# Altium PCB Ascii of Main Board V1.1.PcbDoc (part 2 of 3)
Units mm, origin at the board's own origin, x right, y up, seen from the top; angles counter-clockwise.
Board outline 116 x 140 mm, 2 copper layers (Top Layer, Bottom Layer), stack 1.58 mm thick; 277 components, 226 nets, 916 pads, 571 vias.
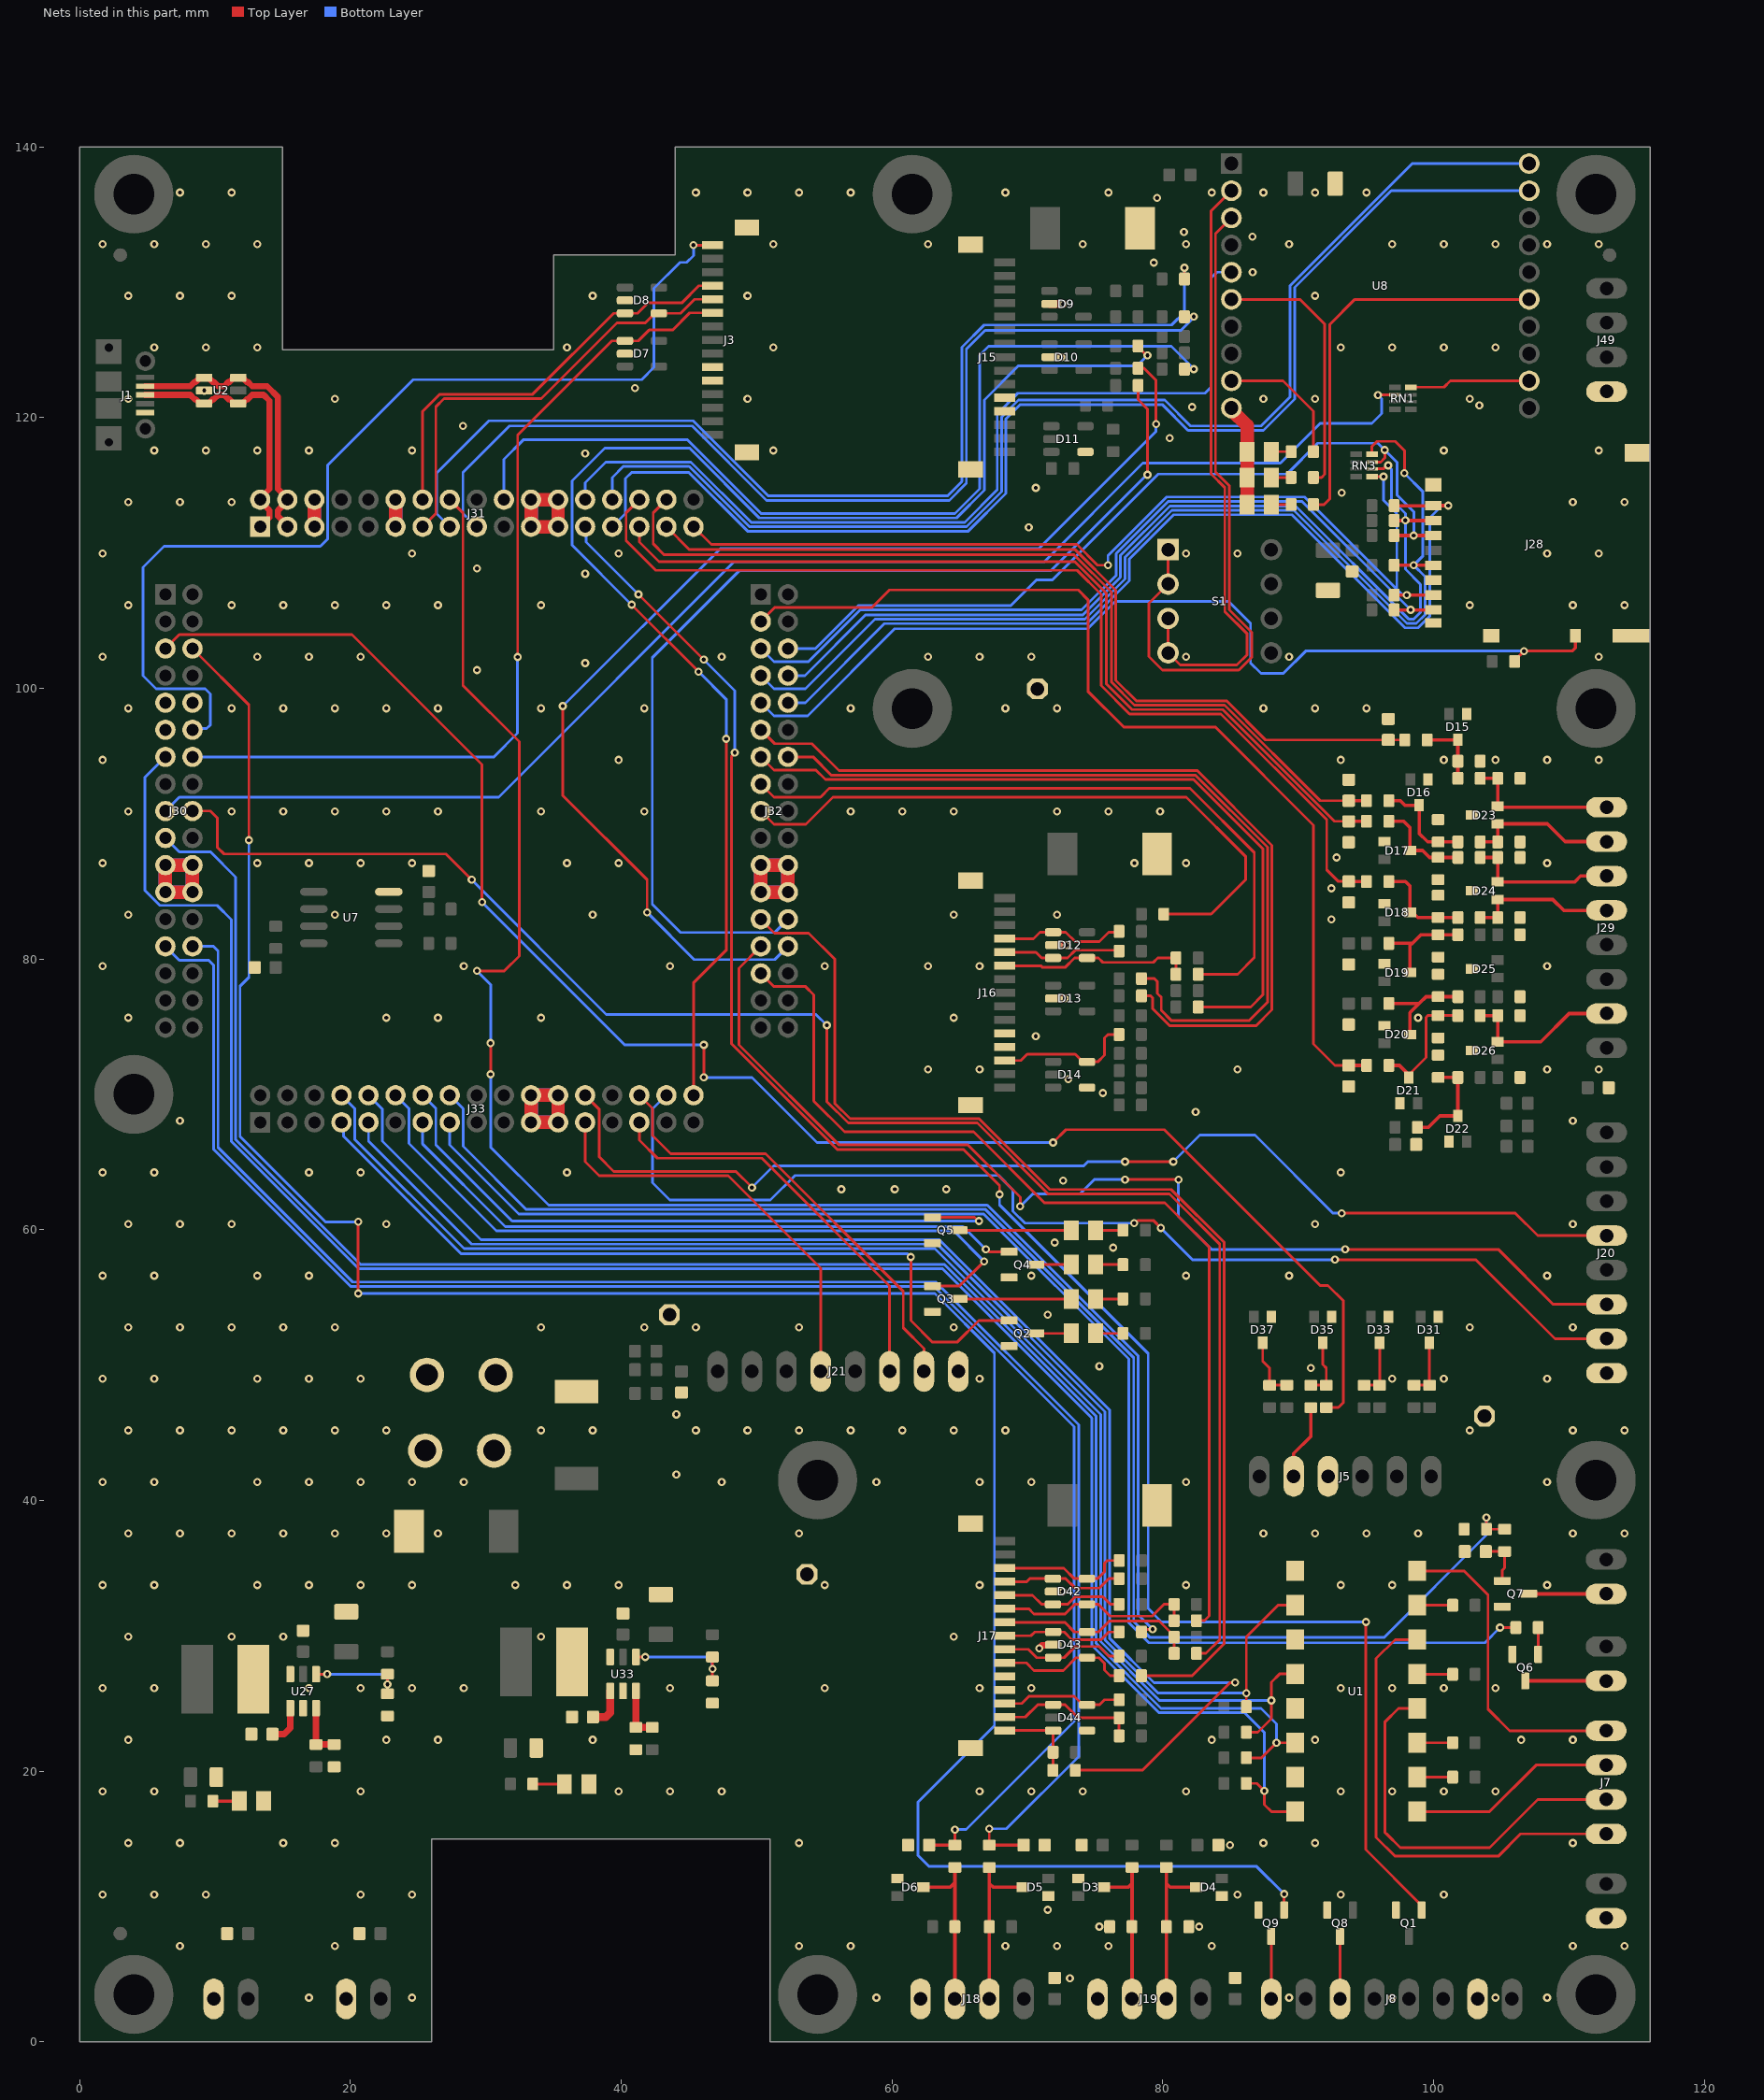
[diagram p2: the nets of this part, all layers, seen from the top]

## Via types
v1: diameter 0.6, hole 0.3, Top Layer to Bottom Layer, tented both sides, 537 vias
v2: diameter 0.8, hole 0.5, Top Layer to Bottom Layer, tented both sides, 34 vias

## Nets (pads, with @x,y where several pads share a name; then routed paths per layer and width w, separated by ;. In a path a pad name is that pad's centre, name@x,y a point inside that pad or via, vN(x,y) a via of type N, cw(c..) or ccw(c..) an arc to the next point about the centre after c; other vN are vias at no path point) (continued)
B_SCL: D12.1 J16.12 R22.2 | length 9.2
  Top Layer w0.2: J16.12@68.328,81.5 70.453,81.5 70.927,81.974 72.837,81.974 73.533,81.278 75.311,81.278 76.007,81.974 R22.2@76.772,81.974
B_SDA: D12.3 J16.11 R24.2 | length 8.9
  Top Layer w0.2: J16.11@68.328,80.5 70.63,80.5 71.054,80.076 D12.3@71.897,80.076 ; D12.3@71.897,80.074 72.964,80.074 73.533,80.643 76.713,80.643 R24.2@76.772,80.584
B_SPCK: D14.5 J16.3 R40.1 | length 10.5
  Top Layer w0.2: J16.3@68.328,72.5 69.516,72.5 69.984,72.968 73.529,72.968 74.097,72.4 D14.5@74.407,72.4 74.408,72.401 75.195,72.401 75.692,72.898 75.692,74.168 75.946,74.422 R40.1@76.772,74.422
B_TOFF: D12.4 J16.10 R27.1 R90.1 | length 14.5
  Top Layer w0.2: J16.10@68.328,79.5 70.993,79.5 71.12,79.373 72.781,79.373 73.482,80.074 74.407,80.074 75.245,80.074 75.569,79.75 79.293,79.75 79.619,80.076 R27.1@80.963,80.076 R90.1@80.963,78.867
Black1: J7.1 U1.8 | length 23.8
  Top Layer w0.2: U1.8@98.781,34.798 102.235,34.798 104.013,33.02 104.013,24.587 105.613,22.987 J7.1@112.741,22.987
Black2: J7.2 U1.1 | length 15.4
  Top Layer w0.2: U1.1@98.781,17.018 104.14,17.018 107.569,20.447 J7.2@112.741,20.447
Black3: J7.3 U1.4 | length 29.2
  Top Layer w0.2: U1.4@98.781,24.638 97.409,24.638 96.393,23.622 96.393,15.484 96.51,15.367 96.52,15.367 97.536,14.351 104.14,14.351 107.696,17.907 J7.3@112.741,17.907
Black4: J7.4 U1.6 | length 35.1
  Top Layer w0.2: U1.6@98.781,29.718 97.155,29.718 95.758,28.321 95.758,15.113 97.155,13.716 104.775,13.716 106.426,15.367 J7.4@112.741,15.367
C_DECAY/NPCS1: D43.5 J17.9 R52.1 R93.1 | length 14.9
  Top Layer w0.2: J17.9@68.328,31 72.755,31 73.472,30.283 D43.5@74.407,30.283 75.245,30.283 76.054,31.092 79.721,31.092 80.836,29.977 R93.1@80.836,28.702
C_EN/IN1: D43.3 J17.7 R53.2 | length 9.3
  Top Layer w0.2: J17.7@68.328,29 70.06,29 70.677,28.383 D43.3@71.897,28.383 72.706,28.383 73.533,29.21 75.311,29.21 76.011,28.51 R53.2@76.772,28.51
C_MISO: D44.1 J17.2 R55.2 R94.2 | length 10.5
  Top Layer w0.2: J17.2@68.328,24 69.847,24 70.747,24.9 D44.1@71.897,24.9 72.784,24.9 73.751,23.933 R55.2@76.772,23.933 R94.2@76.772,22.606
C_MOSI: D44.3 J17.1 R59.2 R96.2 | length 6.5
  Top Layer w0.2: J17.1@68.328,23 D44.3@71.897,23 R59.2@71.897,21.398 71.89,21.39 71.89,20.074 R96.2@71.882,20.066
C_nFAULT: D42.5 J17.13 R43.1 | length 9.7
  Top Layer w0.2: J17.13@68.328,35 72.692,35 73.472,34.22 D42.5@74.392,34.22 75.184,34.22 75.692,34.728 75.692,35.355 75.897,35.56 R43.1@76.771,35.56
C_nSLEEP: D43.4 J17.6 R54.1 | length 9.9
  Top Layer w0.2: J17.6@68.328,28 69.917,28 70.485,27.432 72.644,27.432 73.595,28.383 D43.4@74.407,28.383 75.276,28.383 75.692,27.967 75.692,27.474 76.115,27.051 R54.1@76.771,27.051
C_PH/IN2: D43.1 J17.8 R47.2 | length 9
  Top Layer w0.2: J17.8@68.328,30 70.256,30 70.539,30.283 D43.1@71.897,30.283 72.714,30.283 73.279,29.718 75.438,29.718 76.003,30.283 R47.2@76.772,30.283
C_SCL: D42.1 J17.12 R42.2 | length 9.1
  Top Layer w0.2: J17.12@68.328,34 69.941,34 70.161,34.22 D42.1@71.882,34.22 72.837,34.22 73.533,33.524 75.311,33.524 76.007,34.22 R42.2@76.772,34.22
C_SDA: D42.3 J17.11 R45.2 | length 9.2
  Top Layer w0.2: J17.11@68.328,33 70.378,33 71.058,32.32 D42.3@71.882,32.32 72.964,32.32 73.533,32.889 75.565,32.889 76.134,32.32 R45.2@76.772,32.32
C_SPCK: D44.5 J17.3 R56.1 | length 9.1
  Top Layer w0.2: J17.3@68.328,25 69.577,25 70.116,25.539 73.458,25.539 74.097,24.9 D44.5@74.407,24.9 75.311,24.9 75.684,25.273 R56.1@76.772,25.273
C_TOFF: D42.4 J17.10 R46.1 R92.1 | length 14.9
  Top Layer w0.2: J17.10@68.328,32 70.108,32 70.489,31.619 72.781,31.619 73.482,32.32 D42.4@74.392,32.32 75.245,32.32 76.115,31.45 79.206,31.45 80.076,32.32 R46.1@80.836,32.32 R92.1@80.836,31.115
CTS: RN1.4 U8.12 | length 8.9
  Top Layer w0.2: RN1.4@98.315,122.241 100.778,122.241 101.244,122.707 U8.12@107.061,122.707
CTS0: J30.17 RN1.6 | length 104.7
  Top Layer w0.2: v1(95.885,121.666) RN1.6@97.155,121.666
  Bottom Layer w0.2: J30.17@6.337,90.932 7.362,91.957 30.949,91.957 48.322,109.331 71.232,109.331 78.525,116.624 88.684,116.624 91.623,119.563 95.437,119.563 96.158,120.285 96.158,121.393 v1(95.885,121.666)
CTS1: J20.4 J33.26 | length 85
  Top Layer w0.2: J33.26@37.337,69.932 38.362,68.907 38.362,65.397 39.452,64.307 48.469,64.307 v1(49.657,63.119) ; v1(77.216,65.024) v1(80.772,65.024) ; v1(93.218,61.214) 106.045,61.214 107.696,59.563 J20.4@112.776,59.563
  Bottom Layer w0.2: v1(49.657,63.119) 51.252,64.714 74.157,64.714 74.467,65.024 v1(77.216,65.024) ; v1(80.772,65.024) 82.737,66.989 86.808,66.989 92.583,61.214 v1(93.218,61.214)
CTS2: J21.4 J33.25 | length 31.2
  Top Layer w0.2: J33.25@37.337,67.932 37.337,65.025 38.38,63.982 47.906,63.982 54.737,57.151 J21.4@54.737,49.53
CTSJP1: J5.5 R167.1 | length 5.6
  Top Layer w0.254: J5.5@89.662,41.783 89.662,43.46 90.932,44.73 R167.1@90.932,46.863
DIN: S1.1A S1.2A U8.3 | length 50.9
  Top Layer w0.2: S1.1A@80.391,110.236 S1.2A@80.391,107.696 78.978,106.283 78.978,102.347 79.979,101.346 85.612,101.346 86.558,102.292 86.558,104.148 84.907,105.799 84.907,114.962 83.891,115.978 83.891,133.573 U8.3@85.065,134.747
DIO5: R30.1 U8.15 | length 29.8
  Top Layer w0.2: R30.1@91.128,113.567 91.903,113.567 92.329,113.993 92.329,126.873 94.183,128.727 U8.15@107.061,128.727
DIO10: R28.1 U8.6 | length 19.7
  Top Layer w0.2: U8.6@85.065,128.727 90.129,128.727 91.948,126.909 91.948,115.8 91.72,115.572 R28.1@91.122,115.572
DIR-: J8.6 Q8.3 | length 4.6
  Top Layer w0.2: J8.6@93.091,3.175 Q8.3@93.091,7.783
DOUT: S1.3A S1.4A U8.2 | length 45.1
  Top Layer w0.2: S1.3A@80.391,105.156 S1.4A@80.391,102.616 81.28,101.727 85.471,101.727 86.233,102.489 86.233,104.013 84.582,105.664 84.582,114.827 83.566,115.843 83.566,135.255 U8.2@85.065,136.754
DTR: R83.1 U8.9 | length 10
  Top Layer w0.2: U8.9@85.065,122.707 88.875,122.707 91.122,120.46 R83.1@91.122,117.477
ENA-: J8.8 Q9.3 | length 4.6
  Top Layer w0.2: J8.8@88.011,3.175 Q9.3@88.011,7.783
GND: C28.1 C33.1 C34.1 C35.1 C56.1 C57.1 C58.1 C59.1 C61.1 C63.1 C68.2 C69.1 C70.2 C71.2 C72.2 C73.2 C74.2 C75.2 C76.2 C77.2 C78.1 C86.1 C113.1 C146.2 C147.2 C148.2 C149.2 C150.1 C155.1 C190.1 D2.2 D3.1 D4.1 D5.1 D6.1 D7.2 D8.2 D9.2 D10.2 D11.4 D12.2 D13.2 D14.4 D15.1 D16.1 D17.1 D18.1 D19.1 D20.1 D21.1 D22.1 D23.3 D24.3 D25.3 D26.3 D31.1 D33.1 D35.1 D37.1 D42.2 D43.2 D44.4 D46.2 D48.2 D50.2 GND1.1 GND2.1 GND3.1 GND4.1 J1.5 J3.10 J3.11 J3.M1 J3.M2 J4.1 J5.4 J6.2 J8.2 J15.4 J15.5 J15.M1 J15.M2 J16.4 J16.5 J16.M1 J16.M2 J17.4 J17.5 J17.M1 J17.M2 J18.4 J19.4 J20.8 J21.8 J28.6 J28.P1 J28.P2 J28.P3 J28.P4 J28.SWB J30.9 J30.21 J30.22 J30.23 J30.24 J31.5 J31.6 J31.11 J31.12 J31.21 J31.22 J31.23 J31.24 J32.21 J32.22 J32.23 J32.24 J33.21 J33.22 J33.23 J33.24 J49.4 J51.2 J52.2 LED6.C LED10.C LED13.C LED14.C LED15.C Q1.2 Q2.2 Q3.2 Q4.2 Q5.2 Q6.2 Q7.2 Q8.2 Q9.2 R38.1 R63.2 R64.2 R81.2 R82.2 R85.2 R88.2 R100.1 R102.2 R134.1 R140.1 R142.1 R143.2 R144.2 R148.2 R149.2 R150.2 R151.2 R152.2 R153.2 R154.2 R161.2 R162.1 U1.9 U1.11 U1.13 U1.15 U2.2 U7.4 U8.10 U27.2 U33.2 | length 81.2
  Top Layer w0.5: v1(70.866,29.079) 71.075,29.288 71.852,29.288 D43.2@71.897,29.333 ; D10.2@71.643,124.46 v1(72.517,124.46) ; D42.2@71.882,33.27 v1(72.601,33.27) ; D13.2@71.897,77.087 v1(72.771,77.087) ; D12.2@71.897,81.026 v1(72.898,81.026)
  Top Layer w0.6: D9.2@71.628,128.397 v1(72.644,128.397)
  Top Layer w1: J31.5@17.337,111.932 J31.6@17.337,113.932 ; J31.11@23.337,111.932 J31.12@23.337,113.932 ; U8.10@85.065,120.701 85.065,120.557 86.222,119.4 LED15.C@86.222,117.477 LED13.C@86.222,115.572 LED14.C@86.222,113.573 ; J30.23@6.337,84.932 J30.24@8.337,84.932 J30.22@8.337,86.932 J30.21@6.337,86.932 J30.23@6.337,84.932 ; J33.21@33.337,67.932 J33.23@35.337,67.932 J33.24@35.337,69.932 J33.22@33.337,69.932 J33.21@33.337,67.932 ; J31.21@33.337,111.932 J31.23@35.337,111.932 J31.24@35.337,113.932 J31.22@33.337,113.932 J31.21@33.337,111.932 ; J32.23@50.308,84.932 J32.21@50.308,86.932 J32.22@52.308,86.932 J32.24@52.308,84.932 J32.23@50.308,84.932
  Bottom Layer w1: J31.5@17.337,111.932 J31.6@17.337,113.932 ; J31.11@23.337,111.932 J31.12@23.337,113.932 ; J31.21@33.337,111.932 J31.22@33.337,113.932 ; J31.23@35.337,111.932 J31.24@35.337,113.932 ; J30.23@6.337,84.932 J30.24@8.337,84.932 J30.22@8.337,86.932 J30.21@6.337,86.932 J30.23@6.337,84.932 ; J33.21@33.337,67.932 J33.23@35.337,67.932 J33.24@35.337,69.932 J33.22@33.337,69.932 J33.21@33.337,67.932 ; J32.23@50.308,84.932 J32.21@50.308,86.932 J32.22@52.308,86.932 J32.24@52.308,84.932 J32.23@50.308,84.932
  other v1: 16.939,3.267 24.559,3.267 58.849,3.267 89.329,3.267 96.949,3.267 104.569,3.267 108.379,3.267 73.14,4.707 7.414,7.077 18.844,7.077 53.134,7.077 56.944,7.077 68.374,7.077 72.184,7.077 75.994,7.077 83.614,7.077 110.284,7.077 114.094,7.077 75.311,8.509 82.677,8.509 71.498,9.761 1.699,10.887 5.509,10.887 9.319,10.887 20.749,10.887 24.559,10.887 85.519,10.887 93.139,10.887 100.759,10.887 84.963,14.541 3.604,14.697 7.414,14.697 15.034,14.697 18.844,14.697 53.134,14.697 87.424,14.697 91.234,14.697 110.284,14.697 1.699,18.507 5.509,18.507 20.749,18.507 39.799,18.507 43.609,18.507 47.419,18.507 66.469,18.507 70.279,18.507 74.089,18.507 81.709,18.507 93.139,18.507 96.949,18.507 100.759,18.507 104.569,18.507 3.604,22.317 22.654,22.317 26.464,22.317 37.894,22.317 83.614,22.317 91.234,22.317 106.474,22.317 110.284,22.317 1.699,26.127 5.509,26.127 16.939,26.127 20.749,26.127 24.559,26.127 28.369,26.127 43.609,26.127 55.039,26.127 66.469,26.127 70.279,26.127 93.139,26.127 96.949,26.127 100.759,26.127 104.569,26.127 3.604,29.937 11.224,29.937 15.034,29.937 34.084,29.937 64.564,29.937 1.699,33.747 5.509,33.747 13.129,33.747 16.939,33.747 20.749,33.747 24.559,33.747 32.179,33.747 35.989,33.747 39.799,33.747 55.039,33.747 66.469,33.747 81.709,33.747 93.139,33.747 96.949,33.747 108.379,33.747 3.604,37.557 7.414,37.557 11.224,37.557 15.034,37.557 18.844,37.557 22.654,37.557 26.464,37.557 53.134,37.557 87.424,37.557 91.234,37.557 95.044,37.557 98.854,37.557 110.284,37.557 114.094,37.557 1.699,41.367 5.509,41.367 13.129,41.367 16.939,41.367 20.749,41.367 24.559,41.367 28.369,41.367 47.419,41.367 58.849,41.367 66.469,41.367 70.279,41.367 81.709,41.367 108.379,41.367 44.069,41.91 3.604,45.177 7.414,45.177 11.224,45.177 15.034,45.177 18.844,45.177 22.654,45.177 34.084,45.177 37.894,45.177 45.514,45.177 49.324,45.177 53.134,45.177 56.944,45.177 60.754,45.177 64.564,45.177 68.374,45.177 102.664,45.177 110.284,45.177 114.094,45.177 44.069,46.355 1.699,48.987 5.509,48.987 13.129,48.987 16.939,48.987 20.749,48.987 66.469,48.987 96.949,48.987 100.759,48.987 108.379,48.987 90.932,49.784 75.311,49.911 3.604,52.797 7.414,52.797 11.224,52.797 15.034,52.797 18.844,52.797 34.084,52.797 41.704,52.797 45.514,52.797 53.134,52.797 64.564,52.797 102.664,52.797 110.284,52.797 71.501,53.721 1.699,56.607 5.509,56.607 13.129,56.607 16.939,56.607 70.279,56.607 81.709,56.607 89.329,56.607 108.379,56.607 76.327,58.674 72.009,59.055 3.604,60.417 7.414,60.417 11.224,60.417 22.654,60.417 91.234,60.417 110.284,60.417 56.261,62.992 60.198,62.992 64.008,62.992 72.644,63.627 1.699,64.227 5.509,64.227 16.939,64.227 20.749,64.227 35.989,64.227 93.139,64.227 7.414,68.037 110.284,68.037 82.423,68.707 75.565,70.104 73.025,71.12 62.659,71.847 66.469,71.847 85.519,71.847 108.379,71.847 112.189,71.847 70.612,74.295 3.604,75.657 22.654,75.657 26.464,75.657 34.084,75.657 64.564,75.657 98.854,75.657 1.699,79.467 28.369,79.467 43.609,79.467 55.039,79.467 62.659,79.467 66.469,79.467 108.379,79.467 92.456,82.931 3.604,83.277 18.844,83.277 37.894,83.277 64.564,83.277 72.184,83.277 92.456,85.217 1.699,87.087 13.129,87.087 16.939,87.087 20.749,87.087 24.559,87.087 35.989,87.087 39.799,87.087 77.899,87.087 81.709,87.087 108.379,87.087 92.837,87.503 3.604,90.897 11.224,90.897 15.034,90.897 18.844,90.897 22.654,90.897 26.464,90.897 34.084,90.897 41.704,90.897 56.944,90.897 60.754,90.897 64.564,90.897 72.184,90.897 75.994,90.897 79.804,90.897 1.699,94.707 39.799,94.707 93.139,94.707 100.759,94.707 104.569,94.707 108.379,94.707 112.189,94.707 3.604,98.517 11.224,98.517 15.034,98.517 18.844,98.517 22.654,98.517 26.464,98.517 34.084,98.517 41.704,98.517 56.944,98.517 68.374,98.517 72.184,98.517 87.424,98.517 91.234,98.517 95.044,98.517 29.337,101.346 37.338,101.854 1.699,102.327 13.129,102.327 16.939,102.327 20.749,102.327 47.419,102.327 62.659,102.327 66.469,102.327 70.279,102.327 81.709,102.327 89.329,102.327 112.189,102.327 3.604,106.137 11.224,106.137 15.034,106.137 18.844,106.137 22.654,106.137 26.464,106.137 34.084,106.137 102.664,106.137 110.284,106.137 114.094,106.137 37.338,108.458 29.337,108.839 1.699,109.947 24.559,109.947 39.799,109.947 81.709,109.947 85.519,109.947 108.379,109.947 112.189,109.947 70.104,111.887 3.604,113.757 7.414,113.757 11.224,113.757 110.284,113.757 114.094,113.757 93.218,114.436 70.612,114.808 37.338,117.348 5.509,117.567 9.319,117.567 13.129,117.567 16.939,117.567 24.559,117.567 51.229,117.567 100.759,117.567 112.189,117.567 80.518,118.491 28.321,119.38 82.169,120.777 103.378,120.904 3.604,121.377 18.844,121.377 49.324,121.377 87.424,121.377 91.234,121.377 102.664,121.377 9.2,121.991 41.021,122.174 5.509,125.187 9.319,125.187 13.129,125.187 35.989,125.187 51.229,125.187 93.139,125.187 96.949,125.187 100.759,125.187 104.569,125.187 3.604,128.997 7.414,128.997 11.224,128.997 37.894,128.997 49.324,128.997 91.234,128.997 86.633,130.726 79.325,131.44 1.699,132.807 5.509,132.807 9.319,132.807 13.129,132.807 51.229,132.807 62.659,132.807 74.089,132.807 81.709,132.807 89.329,132.807 96.949,132.807 100.759,132.807 104.569,132.807 108.379,132.807 112.189,132.807 86.614,133.35 81.56,133.701 79.579,136.223 7.414,136.617 11.224,136.617 45.514,136.617 49.324,136.617 53.134,136.617 56.944,136.617 68.374,136.617 75.994,136.617 83.614,136.617 87.424,136.617 91.234,136.617 95.044,136.617
HSD_N: J1.2 J31.3 J31.4 U2.1 U2.6 | length 21.6
  Top Layer w0.457: J1.2@4.834,122.316 4.842,122.309 8.165,122.309 8.491,122.635 8.578,122.635 8.885,122.941 U2.1@9.2,122.941 9.515,122.941 9.821,122.635 9.909,122.635 10.235,122.309 10.675,122.309 11.001,122.635 11.088,122.635 11.395,122.941 U2.6@11.71,122.941 12.025,122.941 12.331,122.635 12.419,122.635 12.745,122.309 13.847,122.309 14.654,121.501 14.654,114.721 15.337,114.039 J31.4@15.337,113.932 15.337,113.825 14.654,113.143 14.654,112.721 15.337,112.039 J31.3@15.337,111.932
HSD_P: J1.3 J31.1 J31.2 U2.3 U2.4 | length 20.6
  Top Layer w0.457: J1.3@4.834,121.666 4.842,121.674 8.165,121.674 8.491,121.347 8.578,121.347 8.885,121.041 U2.3@9.2,121.041 9.515,121.041 9.821,121.347 9.909,121.347 10.235,121.674 10.675,121.674 11.001,121.347 11.088,121.347 11.395,121.041 U2.4@11.71,121.041 12.025,121.041 12.331,121.347 12.419,121.347 12.745,121.674 13.584,121.674 14.019,121.238 14.019,114.721 13.337,114.039 J31.2@13.337,113.932 13.337,113.825 14.019,113.143 14.019,112.614 J31.1@13.337,111.932
MCCDA: J28.3 J32.6 R62.2 RN3.3 | length 62.3
  Top Layer w0.2: RN3.3@95.449,116.709 96.098,116.709 96.393,117.004 v1(96.393,117.602)
  Top Layer w0.254: R62.2@97.091,111.286 v1(98.529,111.286) J28.3@99.967,111.286
  Bottom Layer w0.2: J32.6@52.308,102.932 54.339,102.932 57.523,106.116 68.778,106.116 70.679,108.017 71.863,108.017 79.67,115.824 89.167,115.824 91.442,118.099 95.896,118.099 v1(96.393,117.602) 97.289,116.706 97.289,114.293 98.552,113.03 98.552,111.309 v1(98.529,111.286)
MCCK: J28.5 J32.7 R86.2 RN3.4 | length 79.2
  Top Layer w0.2: RN3.4@95.449,117.284 95.449,117.868 95.818,118.237 97.155,118.237 97.847,117.545 v1(97.847,115.883)
  Top Layer w0.254: R86.2@97.091,109.086 v1(98.529,109.086) J28.5@99.967,109.086
  Bottom Layer w0.2: J32.7@50.308,100.932 51.283,99.957 53.602,99.957 58.745,105.1 74.238,105.1 77.201,108.063 77.201,109.678 80.665,113.142 89.667,113.142 98.019,104.79 98.721,104.79 99.363,105.432 99.363,108.252 v1(98.529,109.086) 99.187,109.744 99.187,114.543 v1(97.847,115.883)
MCDA0: J28.7 J31.33 R128.1 RN3.1 | length 71.8
  Top Layer w0.2: J31.33@45.337,111.932 46.652,110.617 73.66,110.617 75.184,109.093 v1(75.949,109.093) ; RN3.1@95.449,115.634 v1@96.293,115.634
  Top Layer w0.254: R128.1@97.091,106.886 J28.7@99.967,106.886
  Bottom Layer w0.2: v1(75.949,109.093) 75.949,109.805 80.276,114.132 90.465,114.132 97.282,107.315 ; v1(96.296,115.637) 96.296,113.889 97.282,112.903 97.282,107.315 ; v1(98.021,106.889) 98.016,106.894 97.703,106.894 97.282,107.315
MCDA1: J28.8 J32.5 R73.2 | length 60.4
  Top Layer w0.254: R73.2@97.091,105.786 J28.8@99.967,105.786
  Bottom Layer w0.2: J32.5@50.308,102.932 51.283,101.957 53.824,101.957 57.658,105.791 74.01,105.791 76.551,108.332 76.551,109.947 80.396,113.792 90.297,113.792 v1(98.298,105.791)
MCDA2: J28.1 J32.10 R60.2 | length 70.9
  Top Layer w0.254: R60.2@97.091,113.486 J28.1@99.967,113.486 99.968,113.487 v1(101.077,113.488)
  Bottom Layer w0.2: J32.10@52.308,98.932 53.593,98.932 59.436,104.775 74.373,104.775 77.526,107.928 77.526,109.544 80.799,112.817 89.532,112.817 97.884,104.465 98.856,104.465 99.717,105.326 99.717,112.587 100.618,113.488 v1(101.077,113.488)
MCDA3: J28.2 J32.8 R61.2 RN3.2 | length 72.6
  Top Layer w0.2: RN3.2@95.451,116.207 96.283,116.207 96.539,116.463 v1(96.648,116.463)
  Top Layer w0.254: R61.2@97.091,112.386 J28.2@99.967,112.386
  Bottom Layer w0.2: J32.8@52.308,100.932 53.561,100.932 58.054,105.425 74.103,105.425 76.876,108.198 76.876,109.813 80.53,113.467 89.802,113.467 98.154,105.115 98.548,105.115 99.038,105.605 99.038,107.671 97.917,108.792 v1(97.917,112.395) 97.917,112.903 96.901,113.919 96.901,116.146 96.648,116.399 v1(96.648,116.463)
MCDETECT: J28.SWA J32.9 R65.2 | length 70.7
  Top Layer w0.2: R65.2@105.981,101.981 105.981,102.056 v1(106.668,102.743) 110.236,102.743 110.467,102.974
  Top Layer w0.254: 110.467,102.974 J28.SWA@110.467,103.886
  Bottom Layer w0.2: J32.9@50.308,98.932 51.283,97.957 53.761,97.957 60.198,104.394 74.451,104.394 76.483,106.426 84.866,106.426 84.866,106.396 86.477,104.785 86.477,101.864 87.249,101.092 88.9,101.092 90.551,102.743 v1(106.668,102.743)
NetC136_1: C136.1 U33.1 | length 3
  Top Layer w0.6: C136.1@37.915,24.003 38.862,24.003 39.182,24.323 U33.1@39.182,25.923
NetC136_2: C136.2 L13.2 U33.6
NetC145_1: C145.1 U27.1 | length 3
  Top Layer w0.5: C145.1@14.237,22.733 15.113,22.733 15.56,23.18 U27.1@15.56,24.653
NetC145_2: C145.2 L12.2 U27.6
NetC190_2: C190.2 Q7.1 R44.1 | length 3.7
  Top Layer w0.2: C190.2@103.85,36.227 R44.1@105.246,36.227 105.246,35.015 105.065,34.834 Q7.1@105.065,34.049
NetD1_2: D1.2 J2.1
NetD3_3: D3.3 J19.3 R48.2 R162.2 | length 11.9
  Top Layer w0.254: D3.3@75.649,11.429 77.447,11.429 77.724,11.706 ; J19.3@77.724,3.175 R162.2@77.724,8.509 77.724,11.706 ; R48.2@77.724,12.891 77.724,11.706
NetD4_3: D4.3 J19.2 R49.2 R161.1 | length 12
  Top Layer w0.254: J19.2@80.264,3.175 R161.1@80.264,8.509 80.264,11.715 ; R49.2@80.264,12.891 80.264,11.715 ; D4.3@82.466,11.429 80.55,11.429 80.264,11.715
NetD5_3: D5.3 J18.2 R50.2 R157.1 | length 12.3
  Top Layer w0.254: J18.2@67.183,3.175 R157.1@67.183,8.509 67.183,11.714 ; R50.2@67.183,12.891 67.183,11.714 ; D5.3@69.639,11.429 67.468,11.429 67.183,11.714
NetD6_3: D6.3 J18.3 R51.2 R158.2 | length 12.2
  Top Layer w0.254: D6.3@62.314,11.429 64.302,11.429 64.643,11.77 ; J18.3@64.643,3.175 R158.2@64.643,8.509 64.643,11.77 ; R51.2@64.643,12.891 64.643,11.77
NetD15_3: D15.3 R57.1 R58.2 R63.1 | length 5.1
  Top Layer w0.254: R58.2@99.525,96.182 D15.3@101.791,96.182 R63.1@101.791,94.615 R57.1@101.791,93.345
NetD16_3: D16.3 R66.2 R74.1 R144.1 | length 7.6
  Top Layer w0.254: R66.2@96.696,91.692 97.538,91.692 97.874,91.356 D16.3@98.933,91.356 98.933,89.281 99.568,88.646 R144.1@100.33,88.646 R74.1@101.791,88.646
NetD17_3: D17.3 R67.2 R75.1 R143.1 | length 7.2
  Top Layer w0.254: R67.2@96.696,90.17 97.79,90.17 98.255,89.705 D17.3@98.255,88.011 99.187,88.011 99.695,87.503 R143.1@100.33,87.503 R75.1@101.791,87.503
NetD18_3: D18.3 R68.2 R76.1 R102.1 | length 7.3
  Top Layer w0.254: R68.2@96.696,85.725 97.917,85.725 98.255,85.387 D18.3@98.255,83.439 98.455,83.439 98.836,83.058 R102.1@100.33,83.058 R76.1@101.791,83.058
NetD19_3: D19.3 R69.2 R77.1 R88.1 | length 7.6
  Top Layer w0.254: R69.2@96.696,81.153 98.425,81.153 ; D19.3@98.255,78.994 98.255,80.983 98.425,81.153 ; R77.1@101.791,81.788 R88.1@100.33,81.788 99.06,81.788 98.425,81.153
NetD20_3: D20.3 R70.2 R78.1 R85.1 | length 7.9
  Top Layer w0.254: R70.2@96.696,76.708 98.933,76.708 ; D20.3@98.255,74.422 98.255,76.03 98.933,76.708 ; R78.1@101.791,77.216 R85.1@100.33,77.216 99.441,77.216 98.933,76.708
NetD21_3: D21.3 R71.2 R79.1 R82.1 | length 9.2
  Top Layer w0.2: D21.3@98.171,71.247 98.171,71.447 99.441,72.717 99.441,75.692 99.568,75.819 R82.1@100.33,75.819 ; R82.1@100.255,75.819 R79.1@101.791,75.819
  Top Layer w0.254: R71.2@96.696,72.136 97.482,72.136 D21.3@98.171,71.447
NetD22_3: D22.3 R72.2 R80.1 R81.1 | length 7.6
  Top Layer w0.254: R72.2@98.805,67.564 99.619,67.564 100.465,68.41 D22.3@101.791,68.41 R80.1@101.791,71.247 R81.1@100.33,71.247
NetD31_3: D31.3 R163.2 R164.2 | length 4.3
  Top Layer w0.2: R164.2@98.552,48.513 R163.2@99.695,48.513 D31.3@99.695,51.648
NetD33_3: D33.3 R165.2 R166.2 | length 4.3
  Top Layer w0.2: R166.2@94.869,48.513 R165.2@96.012,48.513 D33.3@96.012,51.648
NetD35_3: D35.3 R167.2 R168.2 | length 4.4
  Top Layer w0.2: R167.2@90.932,48.513 R168.2@92.075,48.513 92.075,49.784 91.821,50.038 D35.3@91.821,51.648
NetD37_3: D37.3 R169.2 R170.2 | length 4.6
  Top Layer w0.2: D37.3@87.376,51.648 87.376,50.292 87.884,49.784 R169.2@87.884,48.513 R170.2@89.154,48.513
NetJ47_2: J47.2 Q7.3 | length 5.7
  Top Layer w0.254: Q7.3@107.025,33.099 J47.2@112.741,33.099
NetJ48_2: J48.2 Q6.3 | length 6
  Top Layer w0.254: Q6.3@106.771,26.67 J48.2@112.741,26.67
NetLED1_A: LED1.A R5.1 | length 2
  Top Layer w0.2: LED1.A@75.048,52.342 R5.1@77.058,52.342
NetLED1_C: LED1.C Q2.3 | length 2.6
  Top Layer w0.2: Q2.3@70.612,52.342 LED1.C@73.248,52.342
NetLED2_A: LED2.A R6.1 | length 2
  Top Layer w0.2: LED2.A@75.048,54.882 R6.1@77.058,54.882
NetLED2_C: LED2.C Q3.3 | length 8.3
  Top Layer w0.2: Q3.3@64.952,54.882 LED2.C@73.248,54.882
NetLED3_A: LED3.A R8.1 | length 2
  Top Layer w0.2: LED3.A@75.048,57.422 R8.1@77.058,57.422
NetLED3_C: LED3.C Q4.3 | length 2.6
  Top Layer w0.2: Q4.3@70.612,57.422 LED3.C@73.248,57.422
NetLED4_A: LED4.A R10.1 | length 2
  Top Layer w0.2: LED4.A@75.048,59.962 R10.1@77.058,59.962
NetLED4_C: LED4.C Q5.3 | length 8.3
  Top Layer w0.2: Q5.3@64.952,59.962 LED4.C@73.248,59.962
NetLED6_A: LED6.A R9.1 | length 1.9
  Top Layer w0.254: R9.1@9.844,17.785 LED6.A@11.793,17.785
NetLED10_A: LED10.A R13.1 | length 2.3
  Top Layer w0.2: R13.1@33.466,19.055 LED10.A@35.803,19.055
NetLED13_A: LED13.A R28.2 | length 1.4
  Top Layer w0.2: LED13.A@88.022,115.572 R28.2@89.472,115.572
NetLED14_A: LED14.A R30.2 | length 1.4
  Top Layer w0.2: LED14.A@88.022,113.573 R30.2@89.472,113.573
NetLED15_A: LED15.A R83.2 | length 1.4
  Top Layer w0.2: LED15.A@88.022,117.477 R83.2@89.472,117.477
NetQ6_1: Q6.1 R98.2 | length 2
  Top Layer w0.2: Q6.1@107.721,28.63 R98.2@107.721,30.607
NetR3_1: R3.1 U1.2 | length 2.6
  Top Layer w0.2: U1.2@98.781,19.558 R3.1@101.41,19.558
NetR11_1: R11.1 U1.3 | length 2.6
  Top Layer w0.2: U1.3@98.781,22.098 R11.1@101.41,22.098
NetR35_1: R35.1 U1.5 | length 2.6
  Top Layer w0.2: U1.5@98.781,27.178 98.801,27.158 R35.1@101.41,27.158
NetR36_1: R36.1 U1.7 | length 2.6
  Top Layer w0.2: U1.7@98.781,32.258 R36.1@101.41,32.258
NetR97_1: R97.1 R100.2 U27.3 | length 4
  Top Layer w0.5: U27.3@17.46,24.653 R97.1@17.46,21.971 R100.2@18.796,21.971
NetR133_1: R133.1 R134.2 U33.3 | length 3.9
  Top Layer w0.5: U33.3@41.082,25.923 R134.2@41.082,23.241 R133.1@42.291,23.241
NetR139_1: R139.1 R140.2 U33.4 | length 8.1
  Top Layer w0.2: U33.4@41.082,28.433 v1(41.783,28.433) ; R140.2@46.736,26.67 v1(46.736,27.551) R139.1@46.736,28.433
  Bottom Layer w0.2: v1(41.783,28.433) 46.37,28.433 46.702,28.101 46.702,27.586 v1(46.736,27.551)
NetR141_1: R141.1 R142.2 U27.4 | length 7.3
  Top Layer w0.2: U27.4@17.46,27.163 v1(18.281,27.164) ; R142.2@22.733,25.717 v1(22.733,26.416) R141.1@22.733,27.163
  Bottom Layer w0.2: v1(18.281,27.164) 22.616,27.164 22.733,27.047 v1@22.733,26.543
PA0: J32.11 R33.1 | length 64.9
  Top Layer w0.2: J32.11@50.308,96.932 51.333,95.907 54.08,95.907 56.078,93.909 82.542,93.909 88.056,88.395 88.056,76.245 86.868,75.057 80.518,75.057 79.248,76.327 79.248,77.126 79.094,77.28 R33.1@78.422,77.28
PA1: J32.14 R31.1 | length 61.9
  Top Layer w0.2: J32.14@52.308,94.932 54.166,94.932 55.514,93.584 82.408,93.584 87.731,88.261 87.731,76.809 86.36,75.438 80.645,75.438 79.883,76.2 79.883,77.17 79.6,77.453 79.6,78.33 79.384,78.545 R31.1@78.422,78.545
PA2: J32.28 R17.1 | length 87.8
  Top Layer w0.2: v1(35.687,98.679) 35.687,92.075 41.91,85.852 v1(41.91,83.439) ; R17.1@78.168,123.637 78.611,123.637 79.502,122.746 v1(79.502,119.507)
  Bottom Layer w0.2: v1(35.687,98.679) 47.314,110.306 70.828,110.306 79.502,118.98 v1(79.502,119.507) ; v1(41.91,83.439) 45.392,79.957 51.333,79.957 J32.28@52.308,80.932
PA6: J31.27 U8.19 | length 92.7
  Bottom Layer w0.2: J31.27@39.337,111.932 40.312,112.907 40.312,115.496 40.748,115.932 45.011,115.932 49.337,111.606 65.633,111.606 68.416,114.389 68.416,119.899 69.477,120.96 79.954,120.96 81.859,119.055 87.432,119.055 89.733,121.356 89.733,129.611 96.876,136.754 U8.19@107.061,136.754
PA15: J20.7 J33.32 | length 84.7
  Top Layer w0.2: v1(77.883,60.484) 77.964,60.484 78.167,60.687 79.296,60.687 v1(79.854,60.129) ; v1(92.71,57.785) 103.124,57.785 108.966,51.943 J20.7@112.776,51.943
  Bottom Layer w0.2: J33.32@43.337,69.932 42.321,68.916 42.321,63.47 43.595,62.196 51.02,62.196 52.832,64.008 67.866,64.008 68.936,62.939 68.936,61.366 69.818,60.484 v1(77.883,60.484) ; v1(79.854,60.129) 82.198,57.785 v1(92.71,57.785)
PA16/LED3: J33.13 Q4.1 | length 48.2
  Top Layer w0.2: v1(66.929,58.547) 67.01,58.547 67.185,58.372 Q4.1@68.652,58.372
  Bottom Layer w0.2: J33.13@25.337,67.932 25.337,66.325 31.432,60.23 65.246,60.23 v1(66.929,58.547)
PA18: J33.10 R96.1 | length 107.7
  Top Layer w0.2: R96.1@73.532,20.066 78.486,20.066 84.963,26.543 v1(85.344,26.543)
  Bottom Layer w0.2: J33.10@21.337,69.932 22.362,68.907 22.362,66.538 29.645,59.255 63.491,59.255 76.058,46.688 76.058,29.832 79.347,26.543 v1(85.344,26.543)
PA19: J30.19 R2.1 U1.14 | length 135.8
  Top Layer w0.2: R2.1@86.169,20.987 87.281,20.987 v1(88.392,22.098) U1.14@89.781,22.098
  Bottom Layer w0.2: J30.19@6.337,88.932 7.362,87.907 9.669,87.907 11.522,86.054 11.522,66.661 20.747,57.437 63.866,57.437 75.083,46.22 75.083,29.429 79.874,24.638 87.249,24.638 88.392,23.495 v1(88.392,22.098)
PA20: J30.18 R93.2 | length 125
  Top Layer w0.2: J30.18@8.337,90.932 9.652,90.932 10.16,90.424 10.16,88.265 10.668,87.757 27.051,87.757 v1(28.956,85.852) ; v1(55.185,75.101) 55.185,69.463 56.768,67.88 66.293,67.88 71.526,62.646 80.483,62.646 84.201,58.928 84.201,29.718 83.185,28.702 R93.2@82.486,28.702
  Bottom Layer w0.2: v1(28.956,85.852) 38.901,75.907 54.378,75.907 v1(55.185,75.101)
PA22: C58.2 J30.28 R50.1 | length 125.6
  Top Layer w0.2: R50.1@67.183,14.541 v1(67.183,15.748)
  Top Layer w0.254: R50.1@67.183,14.541 C58.2@69.723,14.541
  Bottom Layer w0.2: J30.28@8.337,80.932 9.877,80.932 10.222,80.587 10.222,66.075 20.16,56.137 63.229,56.137 73.783,45.583 73.783,21.078 68.453,15.748 v1(67.183,15.748)
PA23: J21.6 J33.29 | length 30.6
  Top Layer w0.2: J33.29@41.337,67.932 41.337,66.613 42.668,65.282 50.386,65.282 59.817,55.851 J21.6@59.817,49.53
PA29: D8.4 J3.5 J31.13 | length 33
  Top Layer w0.2: J31.13@25.337,111.932 26.312,112.907 26.312,120.8 26.909,121.397 34.09,121.397 39.693,127 41.773,127 42.474,127.701 D8.4@42.784,127.701 44.384,127.701 45.414,128.731 J3.5@46.753,128.731
PB6: C72.1 J31.29 R67.1 | length 67.3
  Top Layer w0.2: J31.29@41.337,111.932 41.337,110.809 42.799,109.347 73.503,109.347 75.819,107.031 75.819,100.33 77.725,98.424 84.426,98.424 92.68,90.17 C72.1@93.726,90.17
  Top Layer w0.254: C72.1@93.726,90.17 R67.1@95.046,90.17
PB6_IO: D24.2 J29.3 R75.2 R154.1 | length 11.3
  Top Layer w0.254: R75.2@103.441,87.503 R154.1@104.732,87.503 D24.2@104.732,85.694 110.425,85.694 110.86,86.129 J29.3@112.776,86.129
PB12: J33.34 R15.1 | length 106.6
  Top Layer w0.2: v1(40.767,106.172) v1(45.72,101.219) ; J33.34@45.337,69.932 45.337,78.23 47.752,80.645 v1(47.752,96.266) ; R15.1@78.168,125.283 78.168,125.208 78.789,124.587 v1(78.867,124.587)
  Bottom Layer w0.2: v1(40.767,106.172) 36.362,110.577 36.362,115.312 38.779,117.729 45.052,117.729 50.2,112.581 64.769,112.581 66.818,114.629 66.818,121.301 69.342,123.825 78.105,123.825 v1(78.867,124.587) ; v1(45.72,101.219) 47.752,99.187 v1(47.752,96.266)
PB13: J30.5 R168.1 | length 124.9
  Top Layer w0.2: J30.5@6.337,102.932 7.362,103.957 20.122,103.957 29.718,94.361 v1(29.718,84.201) ; v1(46.101,71.247) v1(46.101,73.66) ; v1(71.892,66.443) 72.841,67.392 80.108,67.392 91.62,55.88 92.202,55.88 93.345,54.737 93.345,47.244 92.964,46.863 R168.1@92.075,46.863
  Bottom Layer w0.2: v1(29.718,84.201) 40.259,73.66 v1(46.101,73.66) ; v1(46.101,71.247) 49.657,71.247 54.461,66.443 v1(71.892,66.443)
PC0/NTC: J3.1 J30.12 | length 76.3
  Top Layer w0.2: v1(45.339,132.731) J3.1@46.753,132.731
  Bottom Layer w0.2: J30.12@8.337,96.932 8.422,97.017 9.387,97.017 9.652,97.282 9.652,99.581 9.276,99.957 5.656,99.957 4.681,100.933 4.681,108.935 6.235,110.49 17.779,110.49 18.312,111.023 18.312,116.483 24.626,122.797 41.51,122.797 42.418,123.705 42.418,129.54 44.339,131.461 44.839,131.461 45.339,131.961 v1(45.339,132.731)
PC1: C59.2 J30.27 R51.1 | length 126.7
  Top Layer w0.2: R51.1@64.643,14.541 64.648,14.546 v1(64.648,15.684)
  Top Layer w0.254: C59.2@62.738,14.541 R51.1@64.643,14.541
  Bottom Layer w0.2: J30.27@6.337,80.932 7.362,79.907 9.531,79.907 9.897,79.541 9.897,65.94 20.025,55.812 63.095,55.812 73.458,45.449 73.458,23.674 65.468,15.684 v1(64.648,15.684)
PC2: J33.15 R98.1 | length 107.5
  Top Layer w0.2: v1(104.902,30.607) R98.1@106.071,30.607
  Bottom Layer w0.2: J33.15@27.337,67.932 27.337,66.262 32.433,61.166 66.771,61.166 77.49,50.447 77.49,30.968 78.97,29.488 103.783,29.488 v1(104.902,30.607)
PC3: J21.7 J33.30 | length 33.2
  Top Layer w0.2: J33.30@41.337,69.932 42.312,68.957 42.312,66.952 43.657,65.607 50.666,65.607 60.833,55.44 60.833,52.746 62.357,51.222 J21.7@62.357,49.53
PC4/LED2: J33.12 Q3.1 | length 54.6
  Top Layer w0.2: Q3.1@62.992,55.832 64.976,55.832 v1(66.802,57.658)
  Bottom Layer w0.2: J33.12@23.337,69.932 24.322,68.947 24.322,66.365 30.782,59.905 64.555,59.905 v1(66.802,57.658)
PC5/LED1: J33.7 Q2.1 | length 60
  Top Layer w0.2: v1(61.39,57.979) 61.39,53.291 62.992,51.689 64.802,51.689 66.405,53.292 Q2.1@68.652,53.292
  Bottom Layer w0.2: J33.7@19.337,67.932 19.504,67.765 19.504,66.882 28.149,58.237 61.123,58.237 61.381,57.979 v1(61.39,57.979)
PC6: J33.16 R38.2 R44.2 | length 112.8
  Top Layer w0.2: v1(103.9,38.735) R38.2@103.9,37.877 R44.2@105.246,37.877
  Bottom Layer w0.2: J33.16@27.337,69.932 28.332,68.937 28.332,66.156 32.997,61.491 66.906,61.491 77.851,50.546 77.851,31.067 79.024,29.894 96.36,29.894 103.9,37.433 v1(103.9,38.735)
PC7/LED4: J33.14 Q5.1 | length 50
  Top Layer w0.2: Q5.1@62.992,60.912 66.104,60.912 66.375,60.641 v1(66.421,60.641)
  Bottom Layer w0.2: J33.14@25.337,69.932 26.312,68.957 26.312,66.271 31.942,60.641 v1(66.421,60.641)
PC8: J32.26 R18.2 | length 78.6
  Top Layer w0.2: R18.2@78.168,122.367 78.168,121.318 78.867,120.619 78.867,115.774 v1(78.872,115.769)
  Bottom Layer w0.2: J32.26@52.308,82.932 51.333,81.957 44.388,81.957 42.291,84.054 42.291,102.256 48.716,108.681 71.724,108.681 78.812,115.769 v1(78.872,115.769)
PC9: J20.6 J32.27 | length 83.6
  Top Layer w0.2: J32.27@50.308,80.932 48.689,79.313 48.689,73.66 56.095,66.255 65.62,66.255 69.469,62.405 v1(69.469,61.722) ; v1(77.216,63.7) v1(81.153,63.7) ; v1(93.472,58.547) 104.775,58.547 108.839,54.483 J20.6@112.776,54.483
  Bottom Layer w0.2: v1(69.469,61.722) 70.393,62.646 73.875,62.646 74.929,63.7 v1(77.216,63.7) ; v1(81.153,63.7) 81.153,60.99 83.596,58.547 v1(93.472,58.547)
PC10: J32.29 R92.2 | length 74.4
  Top Layer w0.2: J32.29@50.308,78.932 51.283,77.957 53.615,77.957 54.229,77.343 54.229,69.499 56.499,67.23 66.024,67.23 71.257,61.996 80.147,61.996 83.423,58.72 83.423,31.461 83.077,31.115 R92.2@82.486,31.115
PC11: J32.15 R90.2 | length 51.5
  Top Layer w0.2: J32.15@50.308,92.932 51.283,91.957 54.716,91.957 55.368,92.609 82.004,92.609 86.756,87.857 86.756,80.103 85.52,78.867 R90.2@82.613,78.867
PC12: J30.11
PC13: J33.9 R34.1 U1.10 | length 102.7
  Top Layer w0.2: R34.1@86.172,24.768 v1(86.172,25.763) 86.172,29.911 88.519,32.258 U1.10@89.781,32.258
  Bottom Layer w0.2: J33.9@21.337,67.932 21.337,66.547 28.954,58.93 63.356,58.93 75.733,46.554 75.733,29.698 79.668,25.763 v1(86.172,25.763)
PC14: J32.25 R54.2 | length 87.1
  Top Layer w0.2: J32.25@50.308,82.932 51.325,81.915 53.848,81.915 55.762,80.001 55.762,69.345 56.902,68.205 66.427,68.205 71.661,62.971 80.617,62.971 84.541,59.047 84.541,29.423 82.169,27.051 R54.2@78.421,27.051
PC15: J30.13 R1.1 U1.16 | length 147.8
  Top Layer w0.2: R1.1@86.161,19.098 86.947,19.098 v1(87.503,18.542) 87.503,17.526 88.011,17.018 U1.16@89.781,17.018
  Bottom Layer w0.2: J30.13@6.337,94.932 4.826,93.421 4.826,85.064 5.933,83.957 10.15,83.957 11.197,82.91 11.197,66.527 20.612,57.112 63.732,57.112 74.758,46.086 74.758,29.294 79.739,24.313 86.05,24.313 87.503,22.86 v1(87.503,18.542)
PC16: J32.17 R23.2 | length 47.7
  Top Layer w0.2: J32.17@50.308,90.932 51.283,89.957 53.635,89.957 55.637,91.959 81.735,91.959 86.106,87.588 86.106,85.842 83.576,83.312 R23.2@80.073,83.312
PC17: J32.13 R91.2 | length 55.8
  Top Layer w0.2: J32.13@50.308,94.932 51.283,93.957 54.379,93.957 55.077,93.259 82.273,93.259 87.406,88.126 87.406,77.373 86.487,76.454 R91.2@82.613,76.454
PC18: C73.1 J31.30 R68.1 | length 74.7
  Top Layer w0.2: J31.30@41.337,113.932 40.362,112.957 40.362,110.895 42.545,108.712 73.678,108.712 75.447,106.943 75.447,100.194 77.542,98.099 84.292,98.099 92.105,90.285 92.105,86.584 92.964,85.725 C73.1@93.726,85.725
  Top Layer w0.254: C73.1@93.726,85.725 R68.1@95.046,85.725
PC18_IO: D24.1 J29.4 R76.2 R153.1 | length 11
  Top Layer w0.254: R76.2@103.441,83.058 R153.1@104.732,83.058 D24.1@104.732,84.394 108.796,84.394 109.601,83.589 J29.4@112.776,83.589
PC19: J31.28 U8.20 | length 92.3
  Bottom Layer w0.2: J31.28@39.337,113.932 39.337,115.569 40.156,116.388 45.014,116.388 49.472,111.931 65.498,111.931 68.091,114.523 68.091,120.034 69.342,121.285 80.137,121.285 82.042,119.38 87.249,119.38 89.408,121.539 89.408,129.746 98.423,138.76 U8.20@107.061,138.76
PC20: C76.1 J32.3 R71.1 | length 73.7
  Top Layer w0.2: J32.3@50.308,104.932 51.333,105.957 58.515,105.957 59.817,107.259 73.752,107.259 74.472,106.539 74.472,99.772 77.12,97.124 83.888,97.124 91.13,89.881 91.13,73.716 92.71,72.136 C76.1@93.726,72.136
  Top Layer w0.254: C76.1@93.726,72.136 R71.1@95.046,72.136
PC20_IO: D26.2 J29.7 R79.2 R150.1 | length 12.1
  Top Layer w0.254: R79.2@103.441,75.819 R150.1@104.732,75.819 D26.2@104.732,73.883 107.919,73.883 110.005,75.969 J29.7@112.776,75.969
PC21: J31.15 R7.2 | length 79
  Top Layer w0.2: R7.2@81.597,130.236 v1(81.597,131.064)
  Bottom Layer w0.2: J31.15@27.337,111.932 26.362,112.907 26.362,115.897 30.226,119.761 45.318,119.761 50.874,114.206 64.096,114.206 65.166,115.275 65.166,115.555 65.166,125.189 66.809,126.832 80.65,126.832 81.597,127.779 v1(81.597,131.064)
PC22: J31.16 R47.1 | length 128.6
  Top Layer w0.2: J31.16@27.337,113.932 28.312,112.957 28.312,100.212 32.468,96.056 32.468,80.22 31.369,79.121 v1(29.337,79.121) ; v1(30.353,71.483) v1(30.353,73.787) ; R47.1@78.422,30.283 78.619,30.48 v1(79.248,30.48)
  Bottom Layer w0.2: v1(29.337,79.121) 30.353,78.105 v1(30.353,73.787) ; v1(30.353,71.483) 30.353,66.105 34.642,61.816 67.04,61.816 78.176,50.681 78.176,31.552 v1(79.248,30.48)
PC23: C70.1 J31.31 R58.1 | length 65
  Top Layer w0.2: J31.31@43.337,111.932 45.033,110.236 73.533,110.236 76.525,107.244 76.525,100.592 78.043,99.074 84.695,99.074 87.587,96.182 C70.1@96.647,96.182 R58.1@97.875,96.182
PC23_IO: D23.2 J29.1 R57.2 R64.1 | length 11.4
  Top Layer w0.254: R57.2@103.441,93.345 R64.1@104.732,93.345 D23.2@104.732,91.282 104.805,91.209 J29.1@112.776,91.209
PC29: J30.10
PC30: J33.8 R29.1 U1.12 | length 105.3
  Top Layer w0.2: R29.1@86.169,22.876 87.011,22.876 88.011,23.876 v1(88.011,25.223) 88.011,26.57 88.619,27.178 U1.12@89.781,27.178
  Bottom Layer w0.2: J33.8@19.337,69.932 20.328,68.941 20.328,66.667 28.39,58.605 63.157,58.605 75.408,46.355 75.408,29.563 79.748,25.223 v1(88.011,25.223)
PC31: D7.1 J3.6 J30.14 | length 64.9
  Top Layer w0.2: v1(32.343,102.312) 32.35,102.318 32.35,118.71 39.304,125.664 D7.1@40.274,125.664 41.26,125.664 42.057,126.461 43.785,126.461 45.055,127.731 J3.6@46.753,127.731
  Bottom Layer w0.2: J30.14@8.337,94.932 30.603,94.932 32.343,96.672 v1(32.343,102.312)
PD0: J30.6 Q9.1 | length 172.3
  Top Layer w0.2: J30.6@8.337,102.932 12.498,98.771 v1(12.498,88.776) ; v1(20.574,55.287) v1(20.574,60.579) ; Q9.1@88.961,9.743 v1@88.961,10.922
  Bottom Layer w0.2: v1(12.498,88.776) 12.498,78.638 11.847,77.987 11.847,66.893 18.161,60.579 v1(20.574,60.579) ; v1(20.574,55.287) 63.16,55.287 67.564,50.883 67.564,23.368 61.911,17.715 61.911,13.781 62.738,12.954 86.935,12.954 v1(88.964,10.925)
PD1: J31.17 R14.2 | length 74.3
  Top Layer w0.2: R14.2@81.597,127.447 v1(82.285,127.447)
  Bottom Layer w0.2: J31.17@29.337,111.932 29.287,111.932 28.312,112.907 28.312,115.942 31.75,119.38 45.24,119.38 50.739,113.881 64.231,113.881 65.491,115.141 65.491,115.42 65.491,125.054 66.877,126.44 81.339,126.44 82.285,127.386 v1(82.285,127.447)
PD2: D8.3 J3.4 J31.14 | length 31.8
  Top Layer w0.2: J31.14@25.337,113.932 25.337,120.46 26.599,121.722 33.457,121.722 39.436,127.701 41.214,127.701 41.974,128.461 44.466,128.461 45.736,129.731 J3.4@46.753,129.731
PD3: J31.20 R89.2 | length 69.1
  Top Layer w0.2: R89.2@81.597,123.571 v1(82.285,123.571)
  Bottom Layer w0.2: J31.20@31.337,113.932 31.337,116.92 32.766,118.349 44.892,118.349 50.335,112.906 64.635,112.906 66.466,114.737 66.466,115.016 66.466,124.602 67.127,125.263 80.629,125.263 82.285,123.607 v1(82.285,123.571)
PD4: C71.1 J31.32 R66.1 | length 68.1
  Top Layer w0.2: J31.32@43.337,113.932 42.362,112.957 42.362,110.673 43.18,109.855 73.454,109.855 76.2,107.109 76.2,100.457 77.908,98.749 84.561,98.749 91.617,91.692 C71.1@93.726,91.692
  Top Layer w0.254: C71.1@93.726,91.692 R66.1@95.046,91.692
PD4_IO: D23.1 J29.2 R74.2 R148.1 | length 11.2
  Top Layer w0.254: R74.2@103.441,88.646 R148.1@104.732,88.646 D23.1@104.732,89.982 108.392,89.982 109.705,88.669 J29.2@112.776,88.669
PD5: J31.26 U8.5 | length 67.1
  Bottom Layer w0.2: J31.26@37.337,113.932 37.337,115.188 38.862,116.713 45.149,116.713 49.606,112.256 65.364,112.256 67.766,114.658 67.766,120.265 69.294,121.793 83.121,121.793 83.566,122.238 83.566,130.302 83.998,130.734 U8.5@85.065,130.734
PD6: J31.25 Q1.1 | length 142.3
  Top Layer w0.2: v1(41.275,106.934) v1(46.101,102.108) ; v1(48.387,95.25) 48.387,95.187 48.133,94.933 48.133,73.757 55.96,65.93 65.28,65.93 67.945,63.265 v1(67.945,62.611) ; v1(94.996,31.027) 94.996,14.203 99.121,10.078 Q1.1@99.121,9.743
  Bottom Layer w0.2: J31.25@37.337,111.932 37.408,111.861 37.408,110.801 v1(41.275,106.934) ; v1(46.101,102.108) 48.387,99.822 v1(48.387,95.25) ; v1(67.945,62.611) 67.945,61.831 78.916,50.86 78.916,32.014 79.903,31.027 v1(94.996,31.027)